# Altium PCB Dashcam_V2.0E.PcbDoc (part 7 of 8)
Units mil, origin at the board's own origin, x right, y up, seen from the top; angles counter-clockwise.
Board outline 3544.65 x 2560.37 mil, 8 copper layers (TOP, L2_GND, L3_IN1, L4_IN2, L5_PWR2, L6_PWR1, L7_GND_2, BOTTOM), stack 48.184 mil thick; 411 components, 365 nets, 2257 pads, 1045 vias.
Unrouted connection lines stored in the file: 2.
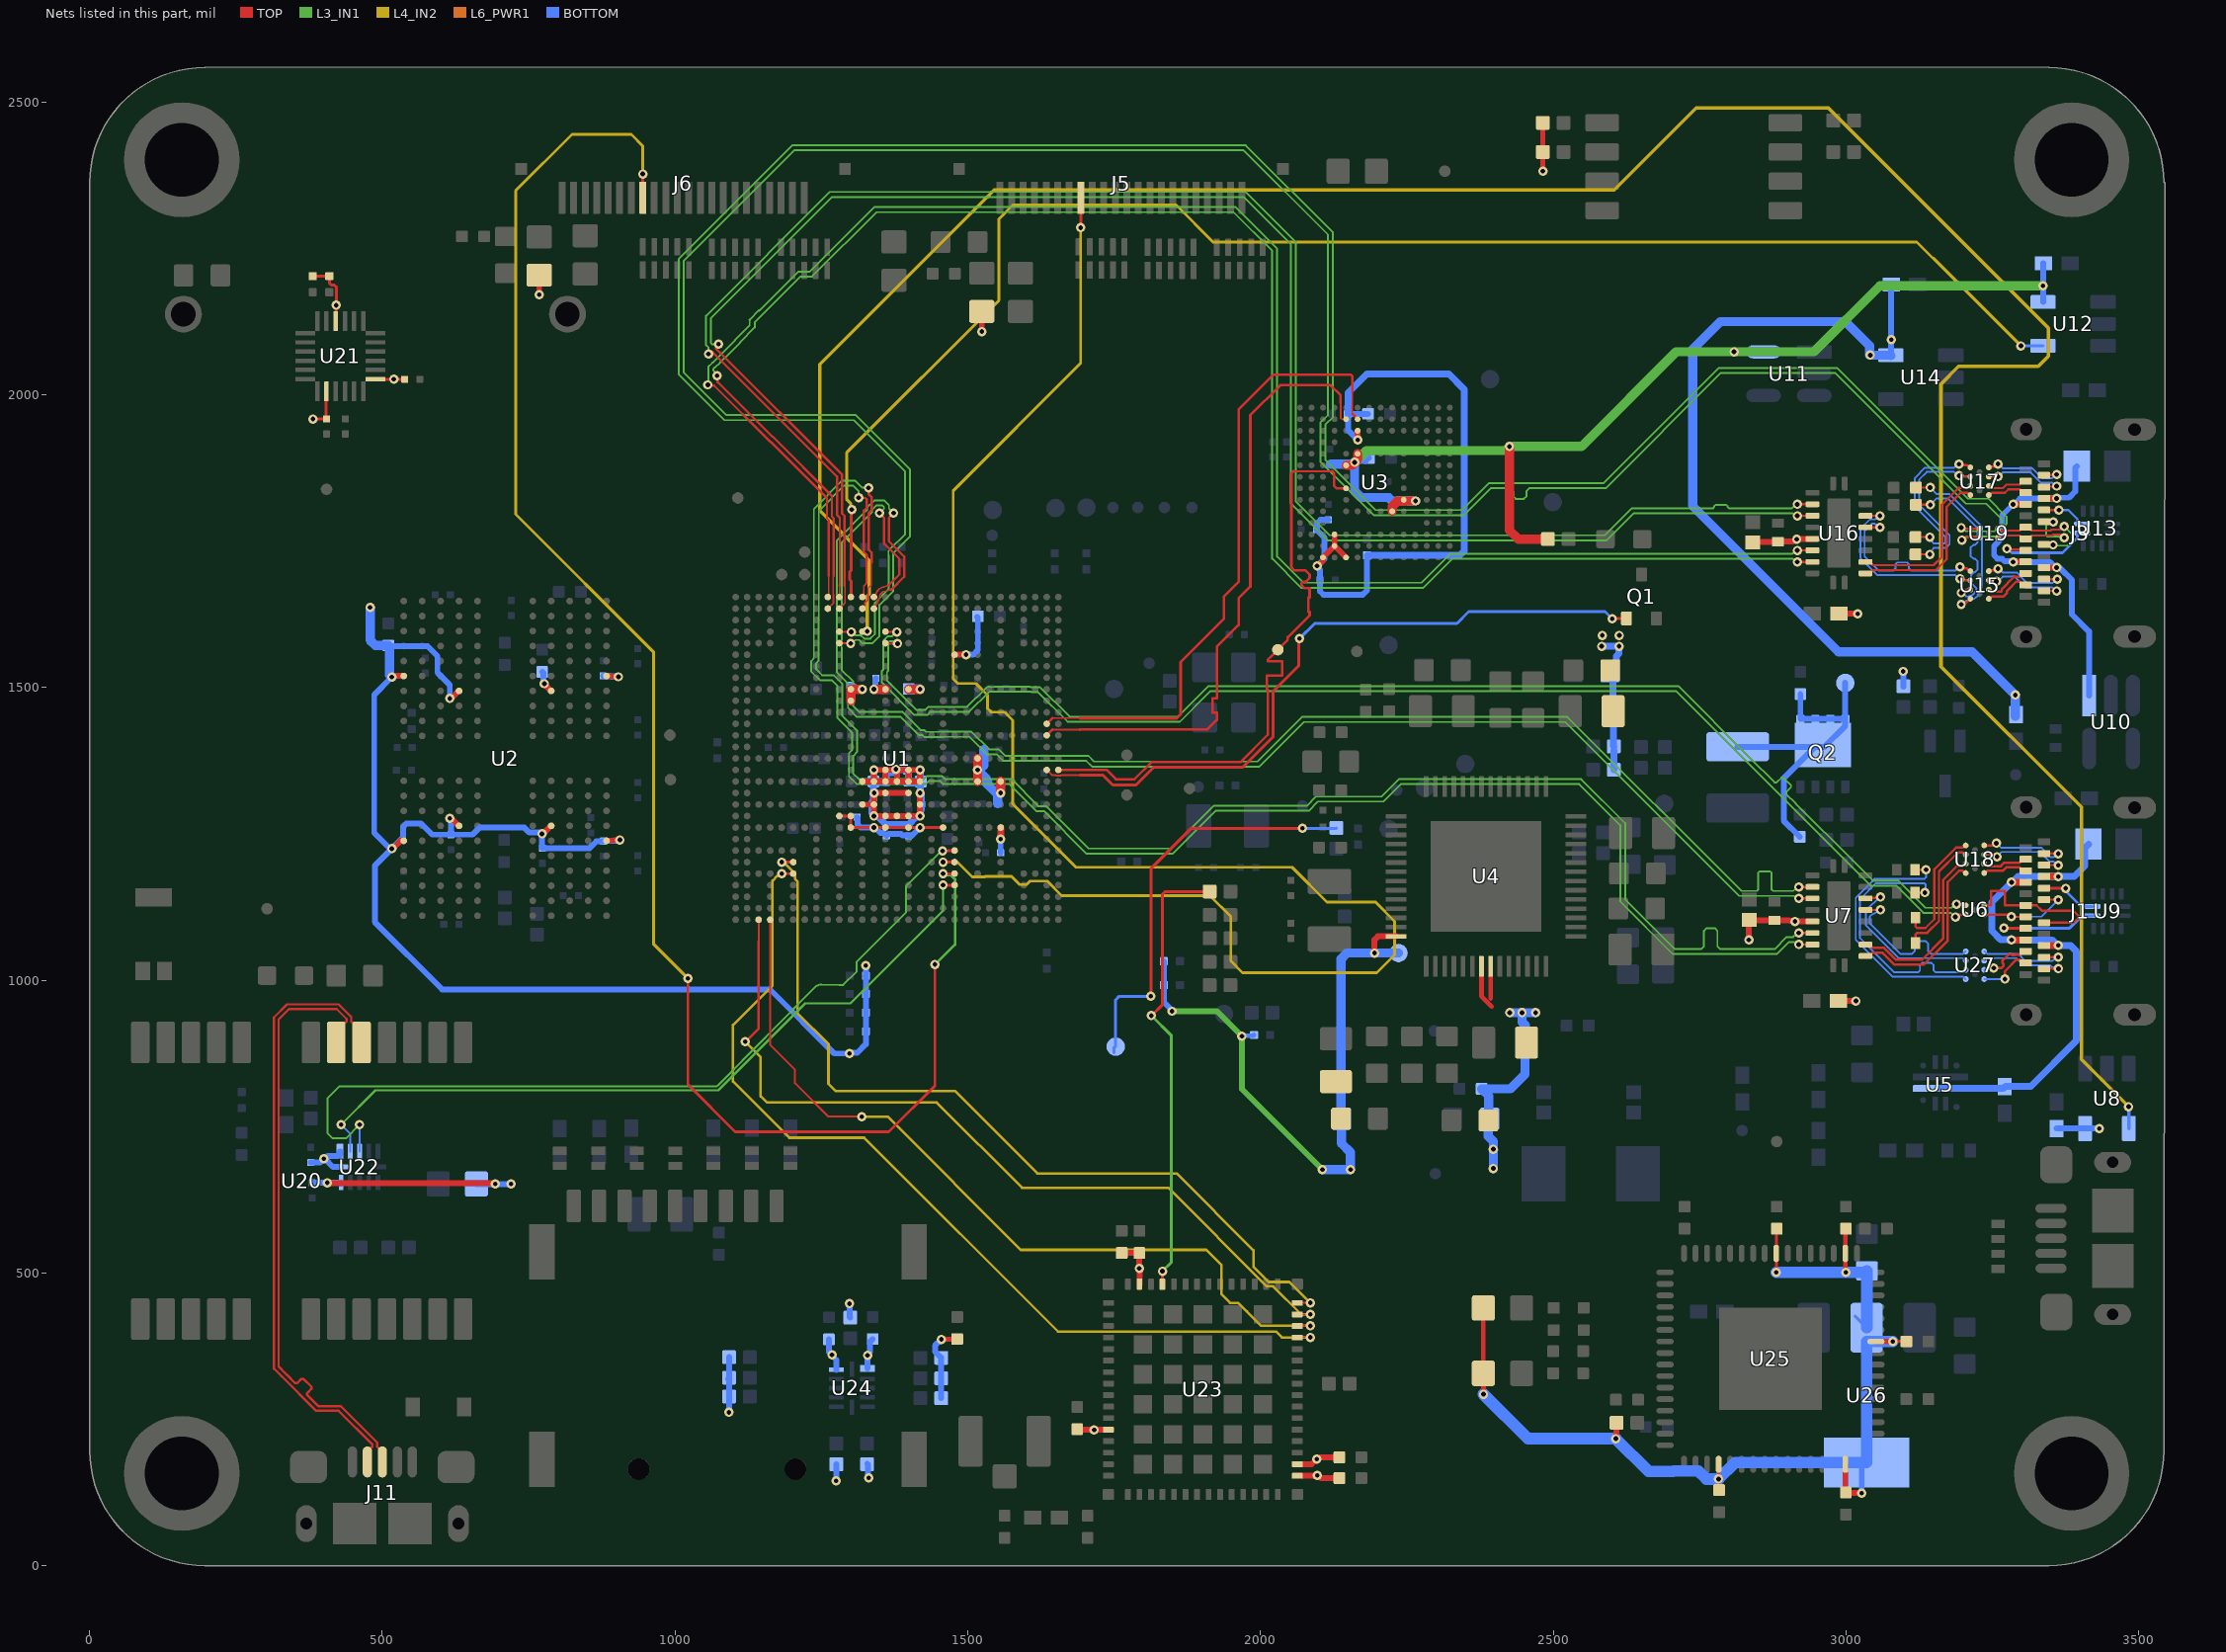
[diagram p13: the nets of this part, all layers, seen from the top]

## Via types
v1: diameter 15.98, hole 8, TOP to BOTTOM, tented both sides, 645 vias
v2: diameter 15.98, hole 7.99, TOP to BOTTOM, tented both sides, 382 vias
v3: diameter 15.98, hole 7.99, TOP to BOTTOM, 8 vias
v4: diameter 19.68, hole 7.87, TOP to BOTTOM, 6 vias
v5: diameter 19.68, hole 19.68, TOP to BOTTOM, 4 vias

## Nets (pads, with @x,y where several pads share a name; then routed paths per layer and width w, separated by ;. In a path a pad name is that pad's centre, name@x,y a point inside that pad or via, vN(x,y) a via of type N, cw(c..) or ccw(c..) an arc to the next point about the centre after c; other vN are vias at no path point) (continued)
SD3_DATA6: U1.N28 U3.B5 | length 1092.6
  TOP w3: 1644.66,1428.02 1691.29,1428.02 ; 2137,1986.25 2137,1960.16 2138.76,1958.4 U3.B5@2146.22,1958.4
  TOP w4.4: U1.N28@1634.95,1418.31 1644.66,1428.02 ; 1691.29,1428.02 1691.8,1428.52 1909.52,1428.52 1925.7,1444.7 1925.7,1455 1925.7,1457.2 1918.2,1457.2 1918.2,1481.6 1925.7,1481.6 1925.7,1494 1925.7,1569.55 1962.7,1606.55 1962.7,1652.55 1982.7,1672.55 1982.7,1965.27 2033.99,2016.55 2119.7,2016.55 2137,1999.25 2137,1986.25
SD3_DATA7: U1.M28 U3.B6 | length 1094.6
  TOP w3: 1644.93,1447.97 1691.24,1447.97 ; 2157,1967.3 2157,1974.01 2156.73,1974.28 2156.73,1981.88 2157,1982.15 2157,2005.81
  TOP w4.4: U1.M28@1634.95,1437.99 1644.93,1447.97 ; 1691.24,1447.97 1691.8,1447.41 1856.56,1447.41 1863.7,1454.55 1863.7,1543.55 1937.7,1617.55 1937.7,1655.55 1962.7,1680.55 1962.7,1974.55 2022.7,2034.55 2154.07,2034.55 2157,2031.62 2157,2005.81 ; 2157,1967.3 U3.B6@2165.9,1958.4
SD3_STROBE: TP25.1 U1.T29 U3.H5 | length 1092.6
  TOP w3: 2056.7,1869.55 2122.7,1869.55
  TOP w4.4: U1.T29@1654.64,1359.25 1691.59,1359.25 1691.8,1359.46 1736.86,1359.46 1752.8,1343.52 1784.8,1343.52 1813.8,1372.52 1965.68,1372.52 2012.64,1419.47 2012.64,1493.65 2012.64,1495.85 2011.1,1495.85 2011.1,1520.25 2037.37,1520.25 2037.37,1544.65 2012.64,1544.65 2012.64,1547.49 2018.22,1553.07 TP25.1@2029.7,1564.55 2046.7,1581.55 2046.7,1585.91 2084,1623.21 2084,1627 2084,1629.2 2081.86,1629.2 2081.86,1653.6 2084,1653.6 2084,1658 2084,1670 2075,1670 2070.22,1674.78 2070.22,1678.42 2072.8,1681 2078,1681 2084,1687 2084,1693 2077,1700 2058,1700 2052.7,1705.3 2052.7,1865.55 2056.7,1869.55 ; 2122.7,1869.55 2125.7,1866.55 2125.7,1844.55 2128.71,1841.54 2129.96,1840.29 U3.H5@2146.22,1840.29
SLASEL1_R: J5.15 U1.AD20 | length 2924.9
  TOP w4.72: v2(1457.79,1201.77) U1.AD20@1477.47,1201.77
  TOP w5: v1(1692.91,2285.43) J5.15@1692.91,2336.61
  L4_IN2 w4.72: v2(1457.79,1201.77) 1482.39,1201.77 1507.57,1176.59 1529.12,1176.59 1529.79,1177.26 1574.7,1177.26 1588.58,1163.39 1600.17,1163.39 1606.11,1169.33 1635.79,1169.33 1660.43,1144.69 1913.39,1144.69 1949.31,1108.76 1949.31,1032.97 1969.49,1012.8 2198.82,1012.8 2229.33,1043.31 2229.33,1100.67 2196.5,1133.5 2113.5,1133.5 2054,1193 1685,1193 1577,1301 1577,1444 1563,1458 1540,1458 1534,1464 1534,1487 1514,1507 1483.02,1507 1475.02,1515 1475.02,1836.02 1692.91,2053.91 v1(1692.91,2285.43) v1@1692.91,2285.91
SLASEL2_R: J6.15 U1.AE20 | length 2901.1
  TOP w4.72: v1@1021.65,1002.95 1021.88,1002.72 1021.88,822.12 1102.86,741.14 1365.16,741.14 1444.02,820.01 v1(1444.02,1027.1) ; v2(1457.79,1182.09) U1.AE20@1477.47,1182.09
  TOP w5: J6.15@944.88,2336.61 v1(944.88,2377.23)
  L3_IN1 w4.72: v1(1444.02,1027.1) 1444.42,1027.1 1478.35,1061.02 1478.35,1172.24 1470.66,1179.93 1459.94,1179.93 v2(1457.79,1182.09)
  L4_IN2 w5: v1(944.88,2377.23) 944.88,2425.2 925.2,2444.88 823.88,2444.88 728,2349 728,1796 963,1561 963,1062.14 v1(1021.88,1003.25)
SLP_CLK_IN: R49.2 U23.61 | length 776.6
  TOP w4.72: U23.61@1832.68,480.83 v1(1832.68,503)
  TOP w5: v2(1813.7,939.55) 1832.7,958.55 1832.7,1146.55 1837.67,1151.52 R49.2@1913.08,1151.52
  L3_IN1 w5: v2(1813.7,939.55) 1848,905.25 1848,518.32 v1(1832.68,503)
SS_RX1_N: U15.C1 U16.16 | length 318.3
  TOP w4.02: U16.16@3033.47,1773.62 v1(3058,1773.62) ; v1(3195,1706) 3197.29,1703.71 3206.13,1703.71 3211.02,1698.82 U15.C1@3212.6,1698.82
  BOTTOM w3.19: v1(3058,1773.62) 3055.97,1773.62 3049.73,1779.86 3043.86,1779.86 3032,1768 3032,1724 3056.36,1699.64 3072,1699.64 3081.07,1699.64 3084.55,1703.12 3084.55,1710.22 3088.03,1713.69 3104.26,1713.69 3107.74,1710.22 3107.74,1703.12 3111.22,1699.64 3136,1699.64 3186.73,1699.64 3193.09,1706 v1(3195,1706)
SS_RX1_P: U15.C2 U16.17 | length 320.5
  TOP w4.02: U16.17@3033.47,1793.31 v1(3058,1793.31) ; v1(3195,1686.08) 3198.24,1686.08 3201.25,1683.07 U15.C2@3212.6,1683.07
  BOTTOM w3.19: v1(3058,1793.31) 3055.97,1793.31 3049.73,1787.07 3040.88,1787.07 3024.8,1770.98 3024.8,1721.02 3053.37,1692.44 3186.73,1692.44 3193.09,1686.08 v1(3195,1686.08)
SS_RX2_N: U16.12 U17.C4 | length 290.2
  TOP w4: U16.12@3033.47,1694.88 3040.36,1694.88 3043.28,1697.8 3043.28,1698.13 3045.62,1700.47 3153.44,1700.47 3172,1719.03 3172,1808.6 3195.76,1832.36 3207.39,1832.36 3211.02,1828.74 U17.C4@3212.6,1828.74
SS_RX2_P: U16.13 U17.C3 | length 290.2
  TOP w4: U16.13@3033.47,1714.57 3040.36,1714.57 3043.28,1711.65 3043.28,1711.32 3045.62,1708.97 3149.92,1708.97 3163.5,1722.56 3163.5,1812.12 3192.24,1840.86 3207.39,1840.86 3211.02,1844.49 U17.C3@3212.6,1844.49
SS_TX1_N: C177.1 U15.C3 | length 309.8
  TOP w4.02: C177.1@3119.45,1811.99 3119.52,1812.06 v1(3144.07,1812.06) ; v1(3197,1661.75) 3200.24,1661.75 3205.81,1667.32 U15.C3@3212.6,1667.32
  BOTTOM w3.19: v1(3144.07,1812.06) 3155.16,1823.15 3173.85,1823.15 3224.29,1772.71 3225,1772 3225,1749 3225,1747.92 3220.36,1743.29 3217.6,1743.29 3212.96,1738.65 3212.96,1724.74 3217.6,1720.1 3220.38,1720.1 3225.02,1715.46 3225.02,1701.55 3220.38,1696.91 3218.65,1696.91 3214.01,1692.27 3214.01,1678.36 3218.65,1673.72 3223.29,1669.08 3223.19,1668.81 3222.6,1667.21 3222.18,1666.09 cw(c3206.84,1671.75) 3206.87,1655.39 ; v1(3197,1661.75) 3204.97,1655.99 ccw(c3206.84,1658.58) 3206.84,1655.39
SS_TX1_P: C176.1 U15.C4 | length 312.4
  TOP w4.02: C176.1@3119.45,1841.52 v1(3144,1841.52) ; v1(3197,1641.83) 3199.29,1644.12 3204.88,1644.12 3212.34,1651.57 U15.C4@3212.6,1651.57
  BOTTOM w3.19: v1(3144,1841.52) 3155.16,1830.36 3176.83,1830.36 3232.2,1774.98 3232.2,1674.3 cw(c3225,1674.3) 3232.2,1674.23 cw(c3221.81,1674.3) 3231.56,1670.69 3228.96,1663.64 cw(c3206.84,1671.75) 3206.84,1648.19 ccw(c3206.84,1645) 3204.97,1647.58 v1(3197,1641.83)
SS_TX2_N: C179.1 U17.C2 | length 296.3
  TOP w4.02: C179.1@3118.8,1727.47 v1(3143.35,1727.47) ; v1(3193,1861.83) 3194.59,1860.24 U17.C2@3212.6,1860.24
  BOTTOM w3.19: v1(3143.35,1727.47) 3143.35,1730.93 3148.42,1736.01 3148.42,1736.77 3150.29,1738.63 3171.13,1738.63 3177.22,1744.72 3177.22,1759.78 3125,1812 3125,1855 3138.19,1868.19 3167.56,1868.19 3184.73,1868.19 3191.09,1861.83 v1(3193,1861.83)
SS_TX2_P: C178.1 U17.C1 | length 298
  TOP w4.02: C178.1@3118.8,1757 v1(3143.35,1757) ; v1(3193,1881.75) 3194.76,1879.99 3207.02,1879.99 3211.02,1875.98 U17.C1@3212.6,1875.98
  BOTTOM w3.19: v1(3143.35,1757) 3143.35,1753.54 3148.42,1748.46 3148.42,1747.71 3150.29,1745.84 3168.15,1745.84 3170.02,1747.71 3170.02,1756.8 3139.91,1786.91 3117.8,1809.02 3117.8,1857.98 3135.2,1875.39 3164.57,1875.39 3184.73,1875.39 3191.09,1881.75 v1(3193,1881.75)
SSRX1_N: J3.B10 U15.A1 | length 154
  TOP w4.02: U15.A1@3244.09,1698.82 3245.21,1699.93 3253.55,1699.93 3256.6,1702.99 v1(3259.84,1702.99) ; J3.B10@3338.58,1685.04 3346.93,1685.04 3347.01,1684.97 3360.97,1684.97 v1(3361.05,1684.89)
  BOTTOM w3.19: v1(3259.84,1702.99) 3261.75,1702.99 3268.11,1696.63 3291.56,1696.63 3304.09,1684.09 3309.64,1678.55 3352.78,1678.55 3359.13,1684.89 v1(3361.05,1684.89)
SSRX1_P: J3.B11 U15.A2 | length 151.8
  TOP w4.02: U15.A2@3244.09,1683.07 3245.04,1682.13 3256.03,1682.13 v1(3256.97,1681.19) ; J3.B11@3338.58,1665.35 3338.76,1665.18 3359.82,1665.18 v1(3360,1665)
  BOTTOM w3.19: v1(3256.97,1681.19) 3259.87,1681.19 3268.11,1689.43 3288.57,1689.43 3299,1679 3306.66,1671.34 3351.73,1671.34 3358.08,1665 v1(3360,1665)
SSRX2_N: J3.A10 U17.A4 | length 69.4
  TOP w4.02: U17.A4@3244.09,1828.74 3245.5,1828.74 3249.36,1832.6 3271.66,1832.6 3277.57,1838.5 3287.3,1838.5 3296.73,1838.5 3302.56,1832.68 J3.A10@3307.09,1832.68
SSRX2_P: J3.A11 U17.A3 | length 69.5
  TOP w4.02: U17.A3@3244.09,1844.49 3245.5,1844.49 3249.36,1840.63 3268.33,1840.63 3274.24,1846.54 3290.63,1846.54 3296.73,1846.54 3302.56,1852.36 J3.A11@3307.09,1852.36
SSTX1_N: J3.A3 U15.A3 | length 79.7
  TOP w4: U15.A3@3244.09,1667.32 3245.68,1667.32 3249.3,1663.7 3265.37,1663.7 3266.25,1664.58 3266.25,1667.82 3276.34,1677.91 3276.34,1678.49 3287.13,1689.29 3296.97,1689.29 3302.56,1694.88 J3.A3@3307.09,1694.88
SSTX1_P: J3.A2 U15.A4 | length 79.7
  TOP w4: U15.A4@3244.09,1651.57 3245.68,1651.57 3249.3,1655.2 3268.89,1655.2 3274.75,1661.05 3274.75,1664.3 3284.84,1674.39 3284.84,1674.97 3290.65,1680.79 3296.97,1680.79 3302.56,1675.2 J3.A2@3307.09,1675.2
SSTX2_N: J3.B3 U17.A2 | length 150.6
  TOP w4.02: U17.A2@3244.09,1860.24 v1(3259.84,1860.24) ; J3.B3@3338.58,1842.52 3339.32,1843.26 3359.26,1843.26 v1(3360,1844)
  BOTTOM w3.19: v1(3259.84,1860.24) 3260.82,1860.24 3268.04,1867.46 3315.17,1867.46 3332.39,1850.24 3351.73,1850.24 3357.97,1844 v1(3360,1844)
SSTX2_P: J3.B2 U17.A1 | length 152
  TOP w4.02: U17.A1@3244.09,1875.98 3245.2,1877.09 3255.04,1877.09 v1(3259.84,1881.89) ; J3.B2@3339.32,1862.94 3359.26,1862.94 v1(3360,1863.69)
  BOTTOM w3.19: v1(3259.84,1881.89) 3260.82,1881.89 3268.04,1874.67 3318.15,1874.67 3335.37,1857.44 3351.73,1857.44 3357.97,1863.69 v1(3360,1863.69)
SYS_nRST: R41.1 TP54.1 | length 717.4
  TOP w5: v2(1812.7,972.55) 1812.7,1190.55 1881.7,1259.55 v2@2073.7,1259.55
  BOTTOM w5: TP54.1@1749.7,876.38 TP54.1@1749.7,885.55 ; TP54.1@1752.7,886.55 1752.7,966.55 1758.7,972.55 1809.7,972.55 v2@1811.7,970.55 ; v2(2071.7,1259.55) 2129.11,1259.55 R41.1@2129.8,1260.24
SYS_STATUS: Q1.G U1.T28 | length 1194.2
  TOP w3: 1643.69,1350.52 1649.64,1350.52 1650.62,1349.54 1658.66,1349.54 1659.64,1350.52 1691.8,1350.52
  TOP w3.35: U1.T28@1634.95,1359.25 1643.69,1350.52
  TOP w5: 1691.8,1350.52 1730.8,1350.52 1747.8,1333.52 1787.43,1333.52 1817.43,1363.52 1969.32,1363.52 2021.57,1415.77 2021.57,1493.57 2065.7,1537.7 v3@2065.7,1581.19 ; v2(2600.8,1617.52) 2624.61,1617.52 Q1.G@2625.2,1618.12
  BOTTOM w5: v3(2066.7,1583.55) 2092.7,1609.55 2335.7,1609.55 2355.7,1629.55 2588.76,1629.55 2597.21,1621.11 2597.26,1621.11 v2@2597.7,1621.55
UART1_CTS: U1.AE6 U23.46 | length 1600.4
  TOP w3.35: U23.46@2062.99,389.76 2084.82,389.76 v1(2085,389.94)
  TOP w4.72: v2(1182.2,1182.09) U1.AE6@1201.88,1182.09
  L4_IN2 w4.4: v2(1182.2,1182.09) 1179.15,1182.09 1175.82,1178.76 1175.42,1178.76 1166.5,1169.83 1166.5,991 1099,923.5 1099,827 1195,731 1323,731 1654,400 2026.45,400 2036.5,389.94 v1(2085,389.94)
UART1_RTS: U1.AJ4 U23.47 | length 1400
  TOP w3.35: U1.AJ4@1162.51,1103.35 1162.51,889.49 1205,847 1205,824 1262,767 v1(1319,767) ; U23.47@2062.99,409.45 2084.82,409.45 v1(2085,409.63)
  L4_IN2 w4.4: v1(1319,767) 1363,767 1590.5,539.5 1907.5,539.5 1933,514 1933,464 1948,449 1962,449 1977,434 1977,433.91 2001.28,409.63 v1(2085,409.63)
UART1_RXD: U1.AD6 U23.49 | length 1449.9
  TOP w3.35: U23.49@2062.99,448.82 2084.82,448.82 v1(2085,449)
  TOP w4.72: v2(1182.2,1201.77) U1.AD6@1201.88,1201.77
  L4_IN2 w4.4: v2(1182.2,1201.77) 1185.33,1201.77 1188.66,1198.45 1188.74,1198.45 1205.37,1181.82 1205.37,1172.47 1209,1168.84 1209,944 1262,891 1262,823 1274,811 1478,811 1619,670 1857,670 1988,539 1988,510.74 2014.14,484.6 2049.4,484.6 v1(2085,449)
UART1_TXD: U1.AJ3 U23.48 | length 1437
  TOP w3.35: 1142.83,1066.52 U1.AJ3@1142.83,1103.35 ; U23.48@2062.99,429.13 2084.82,429.13 v1(2085,429.32)
  TOP w4.4: v1(1120,895) 1142.83,917.83 1142.83,1066.52
  L4_IN2 w4.4: v1(1120,895) 1146.11,868.89 1146.11,801.89 1157,791 1447,791 1592.5,645.5 1842.5,645.5 2010.8,477.2 2021.8,477.2 2069.68,429.32 v1(2085,429.32)
UART3_RXD: U1.AF20 U22.2 | length 1295.1
  TOP w4.72: v2(1457.79,1162.4) U1.AF20@1477.47,1162.4
  L3_IN1 w3.6: v1(429.62,753.36) 488.27,812.01 1073.82,812.01 1222.28,960.47 1299.53,960.47 1457.79,1118.74 v2(1457.79,1162.4)
  BOTTOM w3.35: v1(429.62,753.36) 445.37,737.61 U22.2@445.37,707.67
UART3_TXD: U1.AC20 U22.3 | length 1456.1
  TOP w4.72: v2(1456.97,1220.79) 1457.31,1221.12 1477.14,1221.12 U1.AC20@1477.47,1221.46
  L3_IN1 w3.35: v1(461.12,753.36) 437.76,730 415,730 406,739 406,798 426.48,818.48 1069.75,818.48 1071.14,818.48 1073.1,820.44 1238.86,988.02 cw(c1250,977) 1250.34,992.67 1280.28,992.01 ccw(c1280.62,1007.68) 1280.62,992.01 1287.11,992.01 1288.09,992.99 1310.25,1015.15 1310.25,1031.49 1394.76,1115.99 1394.76,1160.9 1454.65,1220.79 v2(1456.97,1220.79)
  BOTTOM w3.35: U22.3@461.12,707.67 v1(461.12,753.36)
USB1_CC1_CN: J3.A5 U13.1 | length 181.9
  TOP w5: v1(3275.23,1736.97) 3276.59,1735.61 3305.73,1735.61 J3.A5@3306.88,1734.46
  BOTTOM w5: v1(3275.23,1736.97) 3276.68,1736.97 3283.65,1730 3358,1730 3369.76,1730 3395.04,1755.27 3395.04,1762.34 3396.4,1763.71 U13.1@3403.47,1763.71
USB1_CC2_CN: J3.B5 U13.2 | length 77.8
  TOP w5: J3.B5@3338.85,1803 3338.93,1803.07 3363.93,1803.07 v1(3364,1803)
  BOTTOM w4.02: v1(3364,1803) 3380.07,1803 3395.93,1787.14 3395.93,1781.46 3397.86,1779.53 U13.2@3403.54,1779.53
USB1_D1_N: J3.A7 J3.B7 U19.A1 | length 204.6
  TOP w4: U19.A1@3259.84,1771.65 3261.42,1771.65 3265.05,1768.03 3284.19,1768.03 3296.97,1768.03 3302.56,1773.62 J3.A7@3307.09,1773.62 3311.61,1773.62 3317.21,1768.03 3349.67,1768.03 3351.38,1769.74 3364.66,1769.74 3369.91,1774.98 v1(3373,1774.98) ; J3.B7@3338.58,1744.09 3338.84,1743.84 3353.67,1743.84 v1(3353.93,1743.58)
  L3_IN1 w3.2: v1(3353.93,1743.58) 3355.1,1742.41 3378.63,1742.41 3386.59,1750.37 3386.59,1761.63 3373.24,1774.98 v1(3373,1774.98)
USB1_D1_P: J3.A6 J3.B6 U19.A2 | length 202.6
  TOP w4: U19.A2@3259.84,1755.91 3261.42,1755.91 3265.05,1759.53 3287.71,1759.53 3296.97,1759.53 3302.56,1753.94 J3.A6@3307.09,1753.94 3311.61,1753.94 3317.21,1759.53 3353.19,1759.53 3354.9,1761.24 3364.66,1761.24 3369.91,1756 v1(3373,1756) ; J3.B6@3338.58,1783.46 3338.82,1783.23 3354.77,1783.23 v1@3355,1783
  L3_IN1 w3.2: v1(3354,1783) 3351.55,1780.55 3346.3,1780.55 3342,1776.25 3342,1759.78 3343.87,1757.91 3371.09,1757.91 v1(3373,1756)
USB1_D_N: U1.E10 U19.C1 | length 4211.1
  TOP w3.4: U1.E10@1280.65,1575.19 1280.9,1575.44 1299.65,1575.44 v1(1300,1575.09)
  TOP w4.02: v1(3197,1773) 3198.89,1771.11 3227.8,1771.11 U19.C1@3228.35,1771.65
  L3_IN1 w3.2: v1(1300,1575.09) 1302.23,1575.09 1308.27,1581.12 1314.44,1581.12 1319.97,1575.59 1336.9,1575.59 1349.2,1587.89 1349.2,1641.44 1372.68,1664.91 1372.68,1729.74 1401.5,1758.56 1401.5,1872.5 1308.76,1965.24 1087.57,1965.24 1015,2037.82 1015,2229 1203.7,2417.7 1971.3,2417.7 2115.16,2273.84 2115.16,1964.98 2102.43,1952.25 2102.43,1885.55 2193.47,1794.51 2347.51,1794.51 2393.5,1840.5 2402,1840.5 2426.8,1840.5 2431.44,1835.86 2431.44,1826.89 2436.08,1822.25 2450,1822.25 2454.64,1826.89 2454.64,1835.86 2459.28,1840.5 2487,1840.5 2589.5,1840.5 2786,2037 2982,2037 3205,1814 3240,1814 3266,1788 3266,1781.63 3265.87,1781.5 3265.87,1778.87 3253.75,1766.75 3205.31,1766.75 3199.06,1773 v1(3197,1773)
USB1_D_P: U1.D10 U19.C2 | length 4212.6
  TOP w3.4: U1.D10@1281.65,1595.19 1281.7,1595.24 1300.76,1595.24 v1(1301,1595)
  TOP w4.02: v1(3198,1752) 3201.24,1752 3205.69,1756.45 3227.8,1756.45 U19.C2@3228.35,1755.91
  L3_IN1 w3.2: v1(1301,1595) 1303.23,1595 1309.27,1588.97 1317.69,1588.97 1323.22,1583.44 1333.65,1583.44 1341.35,1591.14 1341.35,1644.69 1364.83,1668.16 1364.83,1726.22 1364.5,1726.54 1364.5,1732.66 1366.99,1735.15 1366.99,1736.07 1393,1762.08 1393,1868.98 1305.24,1956.74 1084.05,1956.74 1006.5,2034.3 1006.5,2232.52 1200.18,2426.2 1974.82,2426.2 2123.66,2277.36 2123.66,1961.46 2110.93,1948.73 2110.93,1889.07 2196.99,1803.01 2343.99,1803.01 2389.98,1849 2585.98,1849 2782.48,2045.5 2985.52,2045.5 3208.52,1822.5 3243.52,1822.5 3274.5,1791.52 3274.5,1779.95 3273.07,1778.51 3273.07,1774.05 3257.27,1758.25 3206.27,1758.25 3200.02,1752 v1(3198,1752)
USB1_OTG_VBUS: J3.A4 J3.A9 J3.B4 J3.B9 R67.1 U10.1 | length 706.2
  TOP w10: v1(3285.67,1714.4) 3285.83,1714.57 J3.A4@3307.09,1714.57 ; v1(3285.67,1812.83) 3285.83,1812.99 J3.A9@3307.09,1812.99 ; J3.B9@3338.58,1704.72 3359.83,1704.72 v1(3360,1704.89) ; J3.B4@3338.58,1822.83 3359.83,1822.83 v1(3360,1823)
  BOTTOM w10: R67.1@3394.69,1877.95 3392,1875.27 3392,1835 3381.14,1824.14 3361.14,1824.14 v1(3360,1823) 3297.46,1823 3287.29,1812.83 v1(3285.67,1812.83) 3267,1794.16 3267,1755.61 3253.07,1741.68 3253.07,1725.78 3258.93,1719.92 3266.85,1719.92 3271.23,1715.55 3284.52,1715.55 v1(3285.67,1714.4) 3348.87,1714.4 3358.38,1704.89 3361.62,1704.89 3362.76,1703.74 3366.14,1703.74 3386,1683.88 3386,1625 3415.35,1595.65 U10.1@3415.35,1486.24
USB1_RX_N: U1.B9 U16.8 | length 3091.7
  TOP w3: U1.B9@1260.94,1634.84 1260.94,1636.46 1262.55,1636.46 1270.65,1644.55 1270.65,1658.55 1270,1659.2 1270,1689.5 1271,1690.5
  TOP w4: v1(1071.55,2032.55) 1072.67,2031.43 1072.67,2021.89 1166.25,1928.31 1167.07,1928.31 1268,1827.37 1268,1792.16 1271,1789.16 1271,1690.5 ; v1(2917,1714.57) U16.8@2942.91,1714.57
  L3_IN1 w3.2: v1(1071.55,2032.55) 1071.55,2035.6 1065.39,2041.76 1065.39,2044.41 1067.26,2046.28 1067.91,2046.28 1077.32,2055.68 1077.32,2056.29 1083.5,2062.48 1084.09,2062.48 1111.01,2089.4 1111.01,2089.99 1135.97,2114.95 1135.97,2123.57 1214.26,2201.86 1233.86,2201.86 1344,2312 1954,2312 2019.99,2246.01 2019.99,1719.99 2069.48,1670.5 2278.5,1670.5 2328.16,1720.16 2908.73,1720.16 2914.33,1714.57 v1(2917,1714.57)
USB1_RX_P: U1.A9 U16.7 | length 3088.4
  TOP w3: U1.A9@1261.33,1657.2 1262.5,1658.37 1262.5,1690.5
  TOP w3.4: U1.A9@1260.94,1654.53 U1.A9@1262.47,1656.06
  TOP w4: v1(1056,2017) 1057.12,2015.88 1066.66,2015.88 1162.73,1919.81 1163.55,1919.81 1259.5,1823.85 1259.5,1788.64 1262.5,1785.64 1262.5,1690.5 ; v1(2917,1734.25) U16.7@2942.91,1734.25
  L3_IN1 w3.2: v1(1056,2017) 1056.89,2017.89 1056.89,2047.93 1063.74,2054.78 ; 1063.78,2054.78 1079.98,2070.98 1080.57,2070.98 1102.51,2092.92 1102.51,2093.51 1127.47,2118.47 1127.47,2125.53 1127.47,2127.09 1127.82,2127.44 1127.12,2128.15 1143.52,2144.55 1144.23,2143.85 1208.69,2208.31 1210.74,2210.36 1230.34,2210.36 1340.48,2320.5 1957.52,2320.5 2028.49,2249.53 2028.49,1723.51 2073,1679 2274.98,1679 2324.64,1728.66 2908.73,1728.66 2914.33,1734.25 v1(2917,1734.25)
USB1_TX_N: U1.B10 U16.4 | length 3095.5
  TOP w3: U1.B10@1280.62,1634.84 1290.33,1644.55 1290.33,1673.67 1289.75,1674.25
  TOP w4: v1(1074.11,2086.58) 1074.11,2083.34 1070.17,2079.4 1070.17,2078.85 1285,1864.02 1285,1797.67 1289.5,1793.17 1289.5,1675.21 1289.75,1674.96 1289.75,1674.25 ; v1(2917,1793.31) U16.4@2942.91,1793.31
  L3_IN1 w3.2: v1(1074.11,2086.58) 1074.02,2086.49 1063.19,2086.49 1061.31,2088.37 1061.31,2131.31 1268,2338 1971,2338 2051.99,2257.01 2051.99,1813.99 2114.47,1751.51 2591.51,1751.51 2637.39,1797.39 2909.46,1797.39 2913.54,1793.31 v1(2917,1793.31)
USB1_TX_P: U1.A10 U16.3 | length 3092.9
  TOP w3: U1.A10@1280.62,1654.53 1281,1654.91 1281,1674 1281.25,1674.25
  TOP w4: v1(1057.1,2069.56) 1060.35,2069.56 1063.63,2072.84 1064.16,2072.84 1276.5,1860.5 1276.5,1794.85 1281.5,1789.85 1281.5,1675.21 1281.25,1674.96 1281.25,1674.25 ; v1(2917,1812.99) U16.3@2942.91,1812.99
  L3_IN1 w3.2: v1(1057.1,2069.56) 1057.18,2069.63 1057.18,2080.48 1052.81,2084.85 1052.81,2134.83 1264.48,2346.5 1974.52,2346.5 2060.49,2260.53 2060.49,1817.51 2117.99,1760.01 2587.99,1760.01 2633.87,1805.89 2771,1805.89 2772.6,1805.89 2774.92,1808.21 2774.92,1809.55 2777.24,1811.87 2795.8,1811.87 2798.12,1809.55 2798.12,1808.21 2800.44,1805.89 2844,1805.89 2907.52,1805.89 2914.62,1812.99 v1(2917,1812.99)
USB1_VBUS_3V3: U1.A11 U12.4 | length 2649.6
  TOP w5: U1.A11@1300.31,1654.53 1300.65,1654.87 1300.65,1681.93 1298.42,1684.17 1298.42,1697.83 1300.65,1700.07 1300.65,1802.54 v1(1301.85,1803.74)
  L4_IN2 w5: v1(1301.85,1803.74) 1299.75,1805.84 1299.75,1814.77 1293,1821.52 1293,1900.86 1553.14,2161 1553.14,2300.14 1577,2324 1856,2324 1919,2261 3121,2261 3149,2233 ; 3149.3,2233.3 v1@3296.97,2085.63
  BOTTOM w5: v1(3299,2083.6) U12.4@3336.82,2083.6
USB2_D_CN_N: J1.A7 J1.B7 U6.A1 | length 282.5
  TOP w4.02: U6.A1@3236.22,1127.95 3236.41,1128.14 3245.79,1128.14 3247.8,1128.14 3247.8,1152.23 3271.81,1152.23 3271.81,1128.14 3276.98,1128.14 3282.48,1128.14 3282.67,1128.32 3283.04,1127.95 J1.A7@3307.09,1127.95 3325.7,1127.95 3334.65,1119 3388,1119 3397.34,1109.66 3397.34,1106.34 3389.43,1098.43 J1.B7@3338.58,1098.43
USB2_D_CN_P: J1.A6 J1.B6 U6.A2 | length 189.3
  TOP w4.02: U6.A2@3236.22,1112.2 3275.86,1112.2 3279.43,1108.64 v1(3282.67,1108.64) 3283.04,1108.27 J1.A6@3307.09,1108.27 ; J1.B6@3338.58,1137.8 3362.63,1137.8 v1(3363,1137.43)
  BOTTOM w3.19: v1(3282.67,1108.64) 3334.21,1108.64 v1(3363,1137.43)
USB2_D_N: U1.E14 U6.C1 | length 2213.7
  TOP w3.4: U1.E14@1360.65,1575.19 v1@1379.73,1575.19
  TOP w4.02: v1(3189.04,1130.04) 3190.08,1129 3203.68,1129 U6.C1@3204.72,1127.95
  L3_IN1 w3.2: v1(1380.02,1574.9) 1376.56,1574.9 1372.16,1579.3 1367.23,1579.3 1364.1,1576.17 1364.1,1528.6 1362,1526.5 1362,1511.73 1411.96,1461.77 1427.8,1461.77 1433.03,1467 1498.98,1467 1530.68,1498.7 1531.06,1498.7 1533.42,1501.05 1546.02,1501.05 1546.07,1501.11 1547.76,1501.11 1547.84,1501.19 1606.73,1501.19 1607.08,1500.84 1623.18,1500.84 1674.01,1450.01 1858.99,1450.01 1911.48,1502.5 2713.52,1502.5 2834.51,1381.51 2835.64,1380.38 2878.29,1337.73 2881.57,1337.73 2889.82,1345.98 2893.1,1345.98 2906.22,1332.86 2906.22,1329.58 2897.97,1321.33 2897.97,1318.05 2914.38,1301.64 2915.51,1300.51 3011.38,1204.64 3046.02,1170 3089.45,1170 3135.7,1123.74 3180.77,1123.74 3187.07,1130.04 v1(3189.04,1130.04)